# Altium PCB Flyer.PcbDoc (continued)
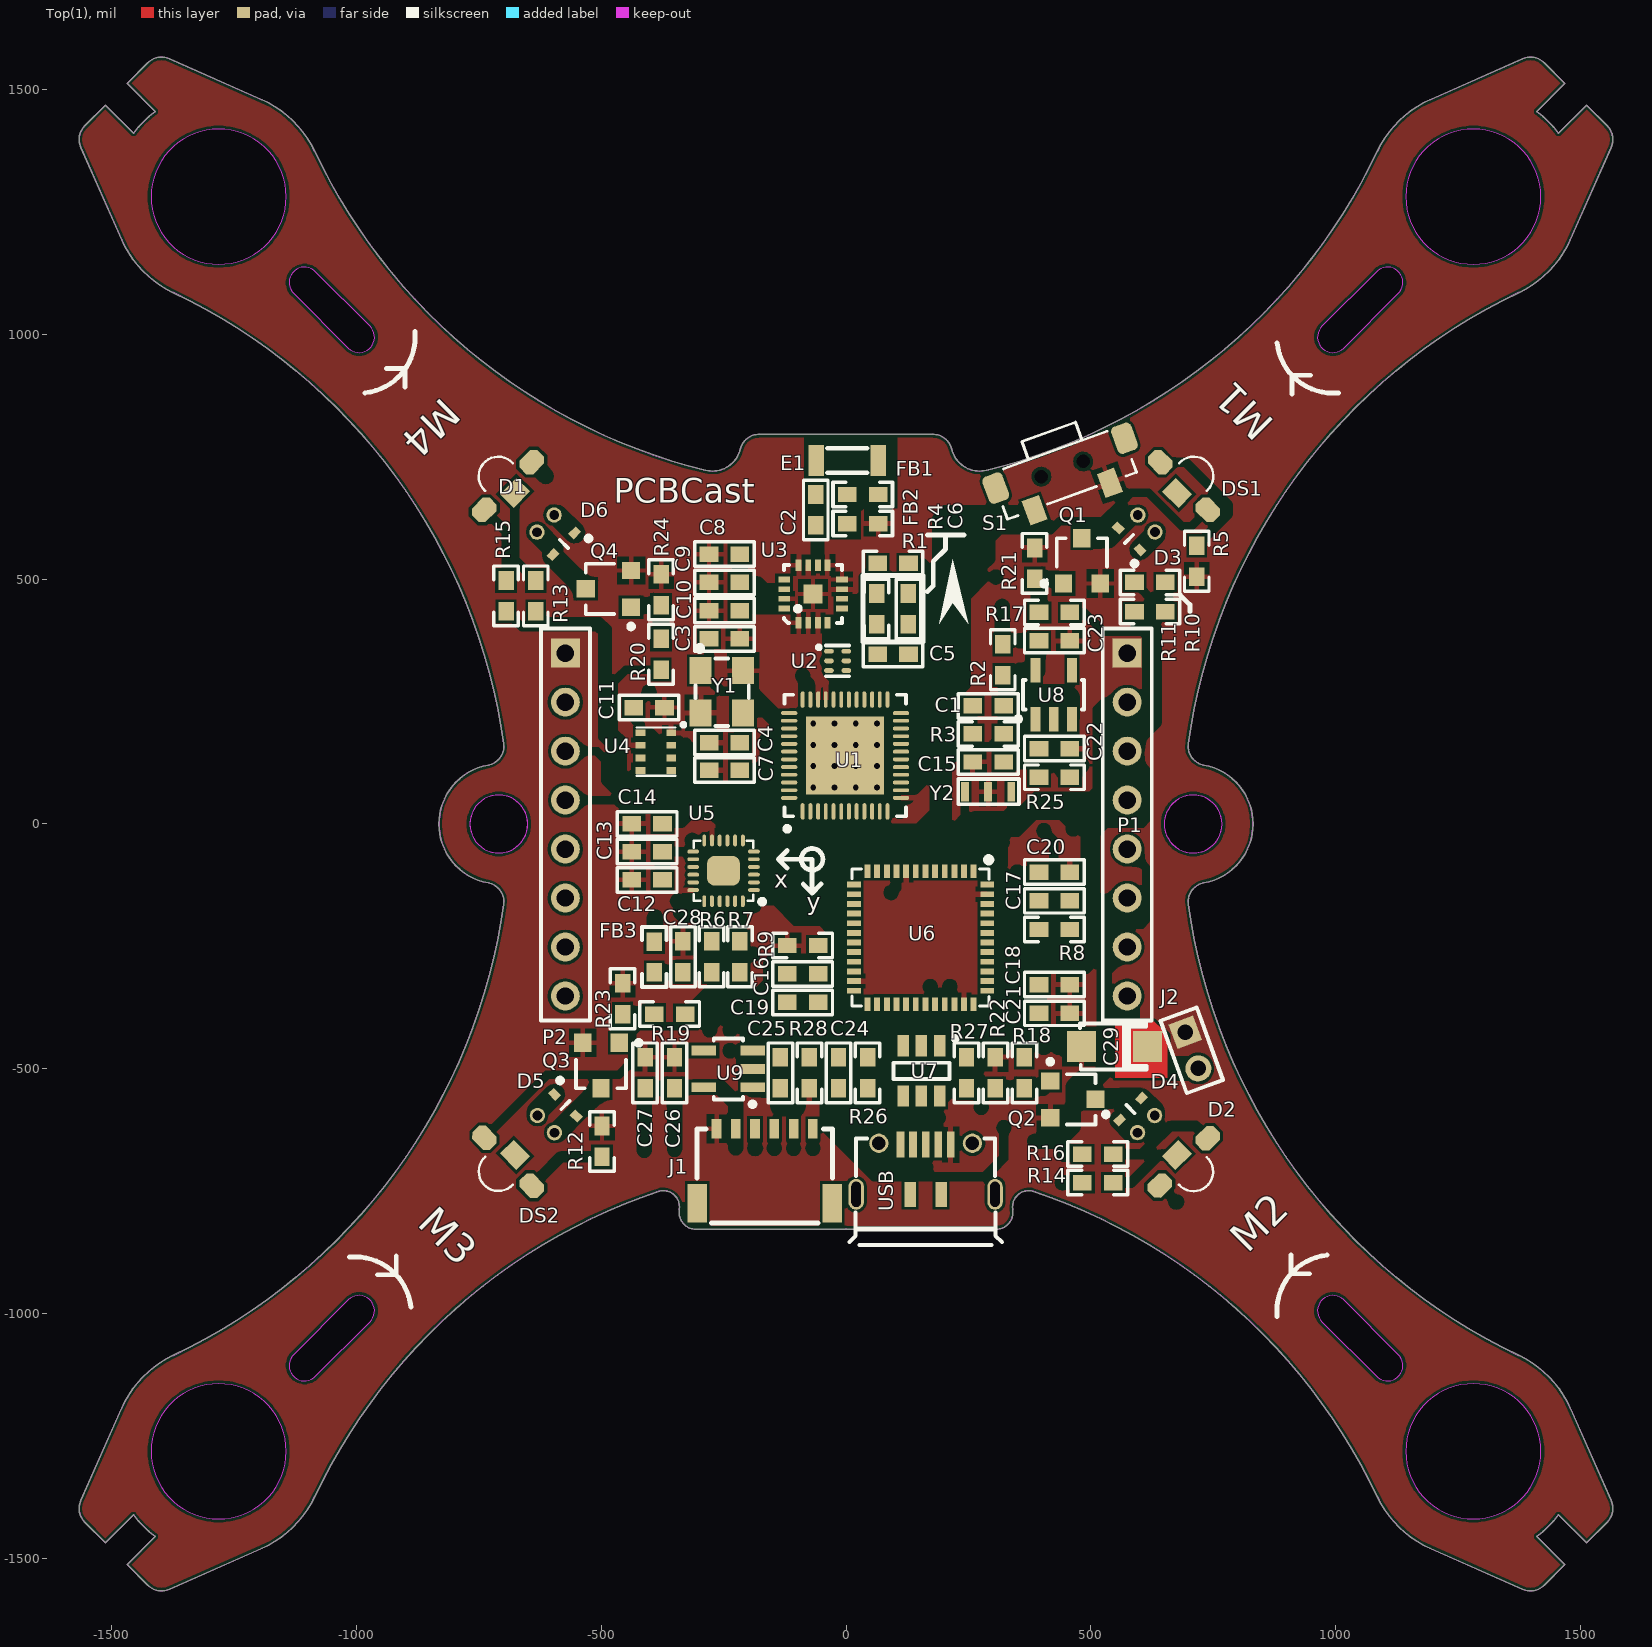
[diagram p0: Top(1) view]
## Design rules (kind name [scope] priority, off if disabled: settings)
Clearance [All] p1: gap=6 ignorepadtopadclearanceinfootprint=FALSE
ComponentClearance [All] p1: gap=0 collisioncheckmode=3 verticalgap=0 showdistances=FALSE
DiffPairsRouting [All] p1: maxlimit=15 minlimit=6 mostfreqgap=8 toplayer_minwidth=6 toplayer_maxwidth=15 toplayer_prefwidth=8 bottomlayer_minwidth=6 bottomlayer_maxwidth=15 bottomlayer_prefwidth=8 maxuncoupledlength=500
HoleSize [All] p1: absolutevalues=TRUE maxlimit=1000 minlimit=1 maxpercent=80.000 minpercent=20.000
HoleToHoleClearance [All] p1: gap=6 allowstackedmicrovias=TRUE
MinimumSolderMaskSliver [All] p1: minsoldermaskwidth=4
PlaneClearance [All] p1: clearance=6
PlaneConnect [All] p1: planeconnectstyle=Direct reliefexpansion=20 reliefentries=4 reliefconductorwidth=10 reliefairgap=10
PolygonConnect [All] p1: thpad.connectstyle=Direct thpad.reliefconductorwidth=10 thpad.reliefentries=4 thpad.polygonreliefangle="90 Angle" thpad.airgapwidth=10 smdpad.connectstyle=Relief smdpad.reliefconductorwidth=10 smdpad.reliefentries=4 smdpad.polygonreliefangle="90 Angle" smdpad.airgapwidth=10 via.connectstyle=Direct via.reliefconductorwidth=10 via.reliefentries=4 via.polygonreliefangle="90 Angle" via.airgapwidth=10
RoutingVias [All] p1: holewidth=12 width=20 viastyle="Through Hole" minholewidth=12 minwidth=20 maxholewidth=12 maxwidth=20
SilkToSilkClearance [All] p1: silktosilkclearance=0
SilkToSolderMaskClearance [IsPad] p1: minsilkscreentomaskgap=0 clearancetoexposedcopper=TRUE
SolderMaskExpansion [All] p1: expansion=4
Width Width_Power [InNetClass('Power')] p1: maxlimit=50 minlimit=8 preferedwidth=12
Width Width_TXRX [InNet('TXRX')] p2: maxlimit=13 minlimit=11 preferedwidth=12
Width [All] p3: maxlimit=50 minlimit=6 preferedwidth=8
21 further rules are at their usual default settings.

## Classes and differential pairs
net class Power: +BATT GND VBAT VCC VCCA VCCNRF VUSB
component class Power: C22 C23 C24 C25 C26 C27 C28 C29 FB3 J2 R25 R26 R27 R28 U7 U8 U9
component class MCU: C15 C16 C17 C18 C19 C20 C21 D1 D2 D3 D4 D5 D6 DS2 J1 P1 P2 P3 P4 P5 P6 Q1 Q2 Q3 Q4 R8 R9 R10 R11 R12 R13 R14 R15 R16 R17 R18 R19 R20 R21 R22 R23 R24 U6 USB Y2
component class IMU: C11 C12 C13 C14 R6 R7 U4 U5
component class 2.4GBT: C1 C2 C3 C4 C5 C6 C7 C8 C9 C10 DS1 E1 FB1 FB2 R1 R2 R3 R4 R5 S1 U1 U2 U3 Y1
differential pair USB: +USB_DP -USB_DM

## Components (designator, comment, footprint, x,y, rotation, side; value= is the part's Value field where it differs from the comment)
C1 "104" C0603 290.2,241.24 r0 top
C2 "2.2pF" C0603 -61.73,641.05 r270 top
C3 "22pF" C0603 -248.08,378 r180 top
C4 "22pF" C0603 -248,166 r0 top
C5 "222" C0603 96,346.16 r180 top
C6 "473" C0603 127.38,438.9 r90 top
C7 "104" C0603 -248,110 r0 top
C8 "10uF" C0603 -248.08,550.92 r0 top
C9 "103" C0603 -248.08,493.28 r0 top
C10 "221" C0603 -248.08,435.64 r0 top
C11 "104" C0603 -402,237.72 r180 top
C12 "104" C0603 -406,-114 r0 top
C13 "103" C0603 -406,-56.25 r0 top
C14 "104" C0603 -406,0.34 r0 top
C15 "104" C0603 290.2,126.57 r180 top
C16 "104" C0603 -88.49,-306 r180 top
C17 "104" C0603 425.42,-156.74 r180 top
C18 "104" C0603 425.42,-327.83 r180 top
C19 "104" C0603 -88.49,-364 r0 top
C20 "104" C0603 425.42,-98.19 r180 top
C21 "10uF" C0603 425.42,-386.38 r180 top
C22 "10uF" C0603 425.42,154 r180 top
C23 "104" C0603 425.42,374.16 r180 top
C24 "104" C0603 -15.33,-508 r270 top
C25 "10uF" C0603 -134,-508 r270 top
C26 "104" C0603 -350.02,-508 r270 top
C27 "10uF" C0603 -410,-508 r270 top
C28 "10uF" C0603 -332.87,-271.04 r270 top
C29 "220uF" TAJ-A 548,-454 r0 top
D1 "LED-RG" LED-2-1206 -689.99,689.99 r45.17 top locked
D2 "LED-RG" LED-2-1206 689.64,-689.64 r224.55 top locked
D3 "1N4148" SOD-523 578,582 r135 top
D4 "1N4148" SOD-523 580.83,-582 r45 top
D5 "1N4148" SOD-523 -572.9,-574 r315 top
D6 "1N4148" SOD-523 -576,572 r225 top
DS1 "LED" LED-2-1206 690.04,690.04 r315.06 top locked
DS2 "LED" LED-2-1206 -689.64,-689.42 r134.54 top locked
E1 "ANTENNA" AN3216 2.64,741.94 r180 top
FB1 "3.9nH" L0603 34.13,672.55 r180 top
FB2 "1nH" L0603 34.13,613.28 r0 top
FB3 "0R,2.0A,0.05DCR" L0603 -391.5,-271.48 r90 top
J1 "SM08B-SRSS-TB" SM06B-SRSS-TB -166,-698 r0 top
J2 "Header 2" HDR1X2-2MM 705.75,-462 r290 top
P1 "Header 8" HDR1X8 574,348.81 r270 top locked
P2 "Header 8" HDR1X8 -572.9,348.81 r270 top locked
P3 "XH254-2Y" XH-AW-125-2Y 613.28,613.28 r135.23 bottom locked
P4 "XH254-2Y" XH-AW-125-2Y 612.5,-612.5 r45 bottom locked
P5 "XH254-2Y" XH-AW-125-2Y -612.5,-612.5 r314.8 bottom locked
P6 "XH254-2Y" XH-AW-125-2Y -613.28,613.28 r225.01 bottom locked
Q1 "NMOS-2" SOT-23-3L 481.28,532.09 r0 top
Q2 "NMOS-2" SOT-23-3L 458,-562 r270 top
Q3 "NMOS-2" SOT-23-3L -500,-488 r180 top
Q4 "NMOS-2" SOT-23-3L -480,480 r90 top
R1 "1K" R0603 96,532.16 r180 top
R2 "49.9K" R0603 320,335.32 r270 top
R3 "49.9K" R0603 290.2,183.91 r180 top
R4 "1K" R0603 62.41,438.9 r90 top
R5 "1K" R0603 716,536.5 r90 top
R6 "4.7K" R0603 -274.22,-271.04 r90 top
R7 "4.7K" R0603 -216.69,-271.04 r90 top
R8 "10K" R0603 425.42,-215.28 r180 top
R9 "100K" R0603 -88.49,-248 r180 top
R10 "4.7K" R0603 620.5,493.28 r0 top
R11 "4.7K" R0603 620.5,433.38 r0 top
R12 "1K" R0603 -498,-648 r270 top
R13 "1K" R0603 -633.31,465.61 r90 top
R14 "1K" R0603 514,-732 r0 top
R15 "1K" R0603 -693.9,465.61 r90 top
R16 "1K" R0603 514,-674 r0 top
R17 "100R" R0603 425.42,432 r180 top
R18 "100R" R0603 364,-508 r270 top
R19 "100R" R0603 -360,-388.07 r180 top
R20 "100R" R0603 -377.4,346.5 r90 top
R21 "10K" R0603 385.1,532 r270 top
R22 "10K" R0603 305,-508 r270 top
R23 "10K" R0603 -456.09,-356.58 r270 top
R24 "10K" R0603 -377.4,478 r270 top
R25 "0R" R0603 425.42,95.45 r180 top
R26 "10K" R0603 44,-508 r270 top
R27 "1.6K" R0603 246,-508 r270 top
R28 "10K" R0603 -74.67,-508 r90 top
S1 "KEY" KEY-3X6X3.5-C 441.45,724.51 r20 top
U1 "NRF51822" QFN-48 -1.87,139.83 r90 top
U2 "2450BM14A0002" 0603-6 -17.06,333.01 r0 top
U3 "RFX2401C" QFN-16 -67.28,469.53 r90 top
U4 "BMP280" LGA-8 -387.99,147.72 r0 top
U5 "MPU9250" QFN-24-0.4 -250.01,-95.62 r180 top
U6 "STM32411CE" UFQFPN48 152.24,-232 r270 top
U7 "TP4059" SOT23-6 154,-504 r270 top
U8 "RT9193-3.3" SOT-23-5 424,264 r90 top
U9 "RT9193-3.3" SOT-23-5 -240,-500 r180 top
USB "USB-B(Mini)" USB-MICROUSB 162.5,-654.62 r180 top (schematic designator USB_SLAVE1)
Y1 "16MHz" X-TSX-3225 -253.52,270.02 r270 top
Y2 "8MHz" X-CSTCE 290,66 r180 top

## Footprints (in the part's own frame and the unit in brackets; to place one, negate y for a bottom-side part, rotate by r counter-clockwise, add the part's x,y. Pads: shape width x height; smd on the part's side, far side on the other; paste and mask are expansions set on the pad)
0603-6 [mm]
  oval 0.5x0.25 smd: 1(-0.45,0.5) 2(-0.45,0) 3(-0.45,-0.5) 4(0.45,-0.5) 5(0.45,0) 6(0.45,0.5)
  silkscreen extent -1.05,-0.8 0.6,0.8, body extent -0.4,-0.8 0.4,0.8, height 0.6
AN3216 [mm]
  rect 0.8x1.6 smd: 1(-1.6,0) 2(1.6,0)
  silkscreen extent -1.02,-0.64 1.02,0.64
C0603 [mm] "Chip Capacitor, Body 1.6x0.8mm, IPC High Density"
  rect 0.965x0.8 smd: 1(-0.8,0) 2(0.8,0)
  silkscreen extent -1.55,-0.64 1.55,0.64, body extent -1.23,-0.4 1.23,0.4, height 0.8
HDR1X2-2MM [mm]
  rect 1.35x1.35 hole 0.8: 1(-1,0)
  round 1.35 hole 0.8: 2(1,0)
  silkscreen extent -2,-1 2,1
HDR1X8 [mm]
  rect 1.5x1.5 hole 0.9: 1(0,0)
  round 1.5 hole 0.9: 2(2.54,0) 3(5.08,0) 4(7.62,0) 5(10.16,0) 6(12.7,0) 7(15.24,0) 8(17.78,0)
  silkscreen extent -1.27,-1.27 19.05,1.27, body extent -1.27,-1.27 19.05,1.27, height 10.1
KEY-3X6X3.5-C [mm]
  rect 0.95x1.34 smd: 1(-2.075,-1.52) 2(2.075,-1.52)
  rrect50% 1.1x1.5 smd: ""(-3.575,0.25) ""(3.575,0.4)
  round 0 hole 0.7 unplated: ""(-1.15,0) ""(1.15,0)
  silkscreen extent -3.56,-1.47 3.56,2.05, body extent -3.9,-1.73 3.9,1.87, height 3.5
L0603 [mm] "L"
  rect 0.965x0.8 smd: 1(-0.8,0) 2(0.8,0)
  silkscreen extent -1.55,-0.64 1.55,0.64, body extent -0.8,-0.4 0.8,0.4, height 0.45
LED-2-1206 [mm]
  oct 1.3x1 smd: 1(1.75,0) 2(-1.75,0)
  rect 1.2x1 smd: 3(0,-0.508)
  silkscreen extent -1.02,0.66 1.02,1.72, body extent -1.48,-0.52 1.52,1.48, height 1
LGA-8 [mm]
  rect 0.5x0.35 smd: 1(0.8,0.975) 2(0.8,0.325) 3(0.8,-0.325) 4(0.8,-0.975) 5(-0.8,-0.975) 6(-0.8,-0.325) 7(-0.8,0.325) 8(-0.8,0.975)
  silkscreen extent -1,-1.25 1.52,1.5, body extent -1,-1.25 1,1.25, height 1
QFN-16 [mm]
  rect 0.6x0.3 smd: 1(-1.5,0.75) 2(-1.5,0.25) 3(-1.5,-0.25) 4(-1.5,-0.75) 9(1.5,-0.75) 10(1.5,-0.25) 11(1.5,0.25) 12(1.5,0.75)
  rect 0.3x0.6 smd: 5(-0.75,-1.5) 6(-0.25,-1.5) 7(0.25,-1.5) 8(0.75,-1.5) 13(0.75,1.5) 14(0.25,1.5) 15(-0.25,1.5) 16(-0.75,1.5)
  rect 1x1 smd: 17(0,0)
  silkscreen extent -1.5,-1.5 1.5,1.5, body extent -1.5,-1.5 1.5,1.5, height 0.9
QFN-24-0.4 [mm]
  oval 0.61x0.203 smd: 1(-1.575,1) 2(-1.575,0.6) 3(-1.575,0.2) 4(-1.575,-0.2) 5(-1.575,-0.6) 6(-1.575,-1) 13(1.575,-1) 14(1.575,-0.6) 15(1.575,-0.2) 16(1.575,0.2) 17(1.575,0.6) 18(1.575,1)
  oval 0.203x0.61 smd: 7(-1,-1.575) 8(-0.6,-1.575) 9(-0.2,-1.575) 10(0.2,-1.575) 11(0.6,-1.575) 12(1,-1.575) 19(1,1.575) 20(0.6,1.575) 21(0.2,1.575) 22(-0.2,1.575) 23(-0.6,1.575) 24(-1,1.575)
  rrect50% 1.7x1.54 smd: 25(0,0)
  silkscreen extent -2.13,-1.55 1.55,1.73, body extent -1.51,-1.51 1.51,1.51, height 1.03
QFN-48 [mm] "QFN, 48-Leads, Body 6.00x6.00mm, Pitch 0.40mm, Thermal Pad 4.05x4.05mm, IPC Medium Density"
  oval 0.85x0.2 smd: 1(-2.9,2.2) 2(-2.9,1.8) 3(-2.9,1.4) 4(-2.9,1) 5(-2.9,0.6) 6(-2.9,0.2) 7(-2.9,-0.2) 8(-2.9,-0.6) 9(-2.9,-1) 10(-2.9,-1.4) 11(-2.9,-1.8) 12(-2.9,-2.2) 25(2.9,-2.2) 26(2.9,-1.8) 27(2.9,-1.4) 28(2.9,-1) 29(2.9,-0.6) 30(2.9,-0.2) 31(2.9,0.2) 32(2.9,0.6) 33(2.9,1) 34(2.9,1.4) 35(2.9,1.8) 36(2.9,2.2)
  oval 0.2x0.85 smd: 13(-2.2,-2.9) 14(-1.8,-2.9) 15(-1.4,-2.9) 16(-1,-2.9) 17(-0.6,-2.9) 18(-0.2,-2.9) 19(0.2,-2.9) 20(0.6,-2.9) 21(1,-2.9) 22(1.4,-2.9) 23(1.8,-2.9) 24(2.2,-2.9) 37(2.2,2.9) 38(1.8,2.9) 39(1.4,2.9) 40(1,2.9) 41(0.6,2.9) 42(0.2,2.9) 43(-0.2,2.9) 44(-0.6,2.9) 45(-1,2.9) 46(-1.4,2.9) 47(-1.8,2.9) 48(-2.2,2.9)
  rect 4.05x4.05 smd: 49(0,0)
  silkscreen extent -3.92,-3.15 3.15,3.15, body extent -3,-3 3,3, height 0.75
R0603 [mm] "Resistor,Chip, Body 1.6x0.8mm, IPC High Density"
  rect 0.965x0.8 smd: 1(-0.8,0) 2(0.8,0)
  silkscreen extent -1.55,-0.64 1.55,0.64, body extent -1.23,-0.4 1.23,0.4, height 0.8
SM06B-SRSS-TB [mm] "1mm"
  rect 0.5x1 smd: 1(-2.5,1.925) 2(-1.5,1.925) 3(-0.5,1.925) 4(0.5,1.925) 5(1.5,1.925) 6(2.5,1.925)
  rect 1x2 smd: 7(-3.5,-1.925) 7(3.5,-1.925)
  silkscreen extent -3.51,-2.95 3.51,1.92, body extent -4,-2.83 4,2.12, height 2.9
SOD-523 [mm]
  rect 0.55x0.42 smd: 1(0.8,0) 2(-0.8,0)
  silkscreen extent -1.22,-0.3 0,0.83, body extent -0.8,-0.4 0.8,0.4, height 0.65
SOT23-6 [mm]
  rect 1.1x0.6 smd: 1(-1.3,0.95) 2(-1.3,0) 3(-1.3,-0.95) 4(1.3,-0.95) 5(1.3,0) 6(1.3,0.95)
  silkscreen extent -1.73,-1.45 0.43,1.8, body extent -1.21,-1.4 1.21,1.4, height 1.09
SOT-23-3L [mm]
  rect 0.9x0.95 smd: 1(-0.95,-1.048) 2(0,1.302) 3(0.95,-1.048)
  silkscreen extent -2.07,-1.17 1.3,1.3, body extent -1.44,-1.26 1.46,1.54, height 1.2
SOT-23-5 [mil]
  rect 50x20 smd: 1(-50,37.4) 2(-50,0) 3(-50,-37.4) 4(50,-37.4) 5(50,37.4)
  silkscreen extent -50,-62 30,72, body extent -55,-57 55,57, height 47
TAJ-A [mm] "钽电容"
  rect 1.52x1.6 smd: 1(1.71,0) 2(-1.71,0)
  silkscreen extent -1.8,-1.19 1.66,1.19, body extent -1.69,-0.84 1.71,0.84, height 1.71
UFQFPN48 [mil]
  rect 28x12 smd: 1(-135.83,108.27) 2(-135.83,88.58) 3(-135.83,68.9) 4(-135.83,49.21) 5(-135.83,29.53) 6(-135.83,9.84) 7(-135.83,-9.84) 8(-135.83,-29.53) 9(-135.83,-49.21) 10(-135.83,-68.9) 11(-135.83,-88.58) 12(-135.83,-108.27) 25(135.83,-108.27) 26(135.83,-88.58) 27(135.83,-68.9) 28(135.83,-49.21) 29(135.83,-29.53) 30(135.83,-9.84) 31(135.83,9.84) 32(135.83,29.53) 33(135.83,49.21) 34(135.83,68.9) 35(135.83,88.58) 36(135.83,108.27)
  rect 12x28 smd: 13(-108.27,-135.83) 14(-88.58,-135.83) 15(-68.9,-135.83) 16(-49.21,-135.83) 17(-29.53,-135.83) 18(-9.84,-135.83) 19(9.84,-135.83) 20(29.53,-135.83) 21(49.21,-135.83) 22(68.9,-135.83) 23(88.58,-135.83) 24(108.27,-135.83) 37(108.27,135.83) 38(88.58,135.83) 39(68.9,135.83) 40(49.21,135.83) 41(29.53,135.83) 42(9.84,135.83) 43(-9.84,135.83) 44(-29.53,135.83) 45(-49.21,135.83) 46(-68.9,135.83) 47(-88.58,135.83) 48(-108.27,135.83)
  silkscreen extent -164,-140 140,144, body extent -138,-138 138,138, height 22
USB-MICROUSB [mm] "MicroUSB"
  rect 0.4x1.35 smd: 1(1.3,0) 2(0.65,0) 3(0,0) 4(-0.65,0) 5(-1.3,0)
  rect 0.6x1.3 smd: 6(-0.8,2.575) 7(0.8,2.575)
  oval 0.8x1.6 hole 0.5 slot 1.3 at 90 deg: ""(-3.6,2.575) ""(3.6,2.575)
  round 1 hole 0.7: ""(-2.425,-0.075) ""(2.425,-0.075)
  silkscreen extent -3.96,-0.33 3.95,5.21, body extent -4.1,-0.24 4.1,5.19, height 2.68
X-CSTCE [mm] "8MHz Crystal,3Pin"
  rect 0.4x1 smd: 1(-1.2,0) 2(1.2,0) 3(0,0)
  silkscreen extent -1.6,-0.65 1.54,0.65, body extent -1.6,-0.65 1.6,0.65, height 0.7
X-TSX-3225 [mm] "26MHz Crystal"
  rect 1.4x1.15 smd: 1(-1.1,-1.1) 2(1.1,-1.1) 3(1.1,1.1) 4(-1.1,1.1)
  silkscreen extent -2.26,-1.37 1.78,1.4, body extent -1.57,-1.25 1.63,1.25, height 0.61
XH-AW-125-2Y [mm] "1.25mm 间距 贴片连接器"
  round 0.8 hole 0.5: 1(-0.625,0) 2(0.625,0)
  silkscreen extent -2.13,0 2.11,4.7

## Part data
C1 C2 C3 C4 C5 C6 C7 C8 C9 C10 C11 C12 C13 C14 C15 C16 C17 C18 C19 C20 C21 C22 C23 C24 C25 C26 C27 C28: library part C0603, "电容", LatestRevisionDate=17-Jul-2002, LatestRevisionNote="Re-released for DXP Platform.", PackageDescription="Radial Cap, Thru-Hole; 2 Leads; 0.3 in Pin Spacing", PackageReference=RAD-0.3, Published=8-Jun-2000, Publisher="Altium Limited", UnitPrice=0.02
C29: library part "C Pol", "极性电容"
D1 D2: library part LED-2, "LED 1206 侧贴 双色"
D3 D4 D5 D6: library part D, "通用二极管"
DS1 DS2: "Typical RED, GREEN, YELLOW, AMBER GaAs LED", PackageDocument=Feb-2002, LatestRevisionDate=17-Jul-2002, LatestRevisionNote="Re-released for DXP Platform.", PackageReference=3.2X1.6X1.1, Published=8-Jun-2000, Publisher="Altium Limited", UnitPrice=0.05
FB1 FB2 FB3: library part L-Beads, "磁珠"
J1: library part SM06B-SRSS-TB
J2: "Header, 2-Pin", LatestRevisionDate=17-Jul-2002, LatestRevisionNote="Re-released for DXP Platform.", Publisher="Altium Limited"
P1 P2: "Header, 8-Pin", LatestRevisionDate=17-Jul-2002, LatestRevisionNote="Re-released for DXP Platform.", Publisher="Altium Limited"
Q1 Q2 Q3 Q4: "N-Channel Power MOSFET", ComponentLink1Description="Manufacturer Link", ComponentLink1URL=http://www.irf.com/, DatasheetVersion=PD-9.814, LatestRevisionDate=17-Jul-2002, LatestRevisionNote="Re-released for DXP Platform.", Note="Pin 2 is electrically connected to pin 4.", PackageDescription="TO, Thru-Hole, Vertical, Heatsink Mounted; 3 In-Line Leads; Pitch 2.54 mm", PackageReference=TO-220AB, PackageVersion=Feb-1997, Published=8-Jun-2000, Publisher="Altium Limited"
R1 R2 R3 R4 R5 R6 R7 R8 R9 R10 R11 R12 R13 R14 R15 R16 R17 R18 R19 R20 R21 R22 R23 R24 R25 R26 R27 R28: library part RES0603, "电阻", LatestRevisionDate=17-Jul-2002, LatestRevisionNote="Re-released for DXP Platform.", PackageDescription="Axial Device, Thru-Hole; 2 Leads; 0.3 in Pin Spacing", PackageReference=AXIAL-0.3, Published=8-Jun-2000, Publisher="Altium Limited"
S1: "普通轻触按钮"
U2: library part BALUN
U4: "气压剂"
U5: "9轴运动处理传感器"
U6: library part STM32F411xC, "STM32411xC_xE"
U7: "锂电池充电IC"
USB: library part USB5
Y1: library part XTAL_1, "Crystal Oscillator", LatestRevisionDate=17-Jul-2002, LatestRevisionNote="Re-released for DXP Platform.", Published=8-Jun-2000, Publisher="Altium Limited"
Y2: library part XTAL_2, "Crystal Oscillator", LatestRevisionDate=17-Jul-2002, LatestRevisionNote="Re-released for DXP Platform.", Published=8-Jun-2000, Publisher="Altium Limited"
E1: UnitPrice=1.3
P3 P4 P5 P6: LatestRevisionDate=17-Jul-2002, LatestRevisionNote="Re-released for DXP Platform.", Publisher="Altium Limited"

## Via types
v1: diameter 20, hole 12, Top(1) to Bottom(4), 16 vias

## Nets (pads, with @x,y where several pads share a name; then routed paths per layer and width w, separated by ;. In a path a pad name is that pad's centre, name@x,y a point inside that pad or via, vN(x,y) a via of type N, cw(c..) or ccw(c..) an arc to the next point about the centre after c; other vN are vias at no path point)
+BATT: C25.2 C29.1 D3.2 D4.2 D5.2 D6.2 J2.2 P1.8 P3.1 P4.1 P5.1 P6.1 R2.1 R25.1 U7.3 U9.1
E_CS0: P1.2 U6.4
E_CS1: P2.3 U6.18
E_CS2: P2.4 U6.19
E_CS3: P2.5 U6.29
E_MISO: P2.7 U6.27
E_MOSI: P2.6 U6.28
E_RX1: P1.6 U6.39
E_SCK: P2.8 U6.26
E_SCL: P1.4 R11.1 U6.41
E_SDA: P1.3 R10.1 U6.40
E_TX1: P1.5 U6.38
GND: C3.1 C4.1 C5.1 C6.1 C7.1 C8.1 C9.1 C10.1 C11.1 C12.1 C13.1 C14.1 C15.2 C16.2 C17.1 C18.1 C19.1 C20.1 C21.1 C22.1 C23.1 C24.1 C25.1 C26.1 C27.1 C28.1 C29.2 FB2.2 J1.1 J2.1 P1.1 P2.1 Q1.3 Q2.3 Q3.3 Q4.3 R5.1 R8.1 R9.2 R12.1 R21.1 R22.1 R23.1 R24.1 R27.1 R28.1 S1.2 U1.13 U1.33 U1.34 U1.49 U2.2 U2.6 U3.1 U3.2 U3.3 U3.7 U3.8 U3.9 U3.11 U3.12 U3.15 U3.17 U4.1 U4.5 U4.7 U5.11 U5.18 U5.20 U6.8 U6.23 U6.35 U6.47 U7.2 U8.2 U9.2 USB.5 Y1.2 Y1.4 Y2.3
  other v1: -66.83,74.87 -23.53,74.87 19.78,74.87 63.09,74.87 -66.83,118.17 -23.53,118.17 19.78,118.17 63.09,118.17 -66.83,161.48 -23.53,161.48 19.78,161.48 63.09,161.48 -66.83,204.79 -23.53,204.79 19.78,204.79 63.09,204.79
IMU_SCL: R6.2 U5.23 U6.45
IMU_SDA: R7.2 U5.24 U6.46
LED_B: DS1.1 U1.14
LED_B_L: DS2.1 U6.25
LED_G_L: R13.1 U6.16
LED_G_R: R16.1 U6.2
LED_R_L: R15.1 U6.17
LED_R_R: R14.1 U6.3
MOTOR1: R17.1 U6.43
MOTOR2: R18.1 U6.42
MOTOR3: R19.1 U6.21
MOTOR4: R20.1 U6.15
MPU_INT: U5.12 U6.14
NetC2_1: C2.1 FB1.2 FB2.1
NetC2_2: C2.2 U3.10
NetC3_2: C3.2 U1.37 Y1.1
NetC4_2: C4.2 U1.38 Y1.3
NetC5_2: C5.2 R4.1 U1.30 U2.5
NetC6_2: C6.2 U1.29
NetC7_2: C7.2 U1.39
NetC14_2: C14.2 U5.10
NetC16_1: C16.1 U6.22
NetC22_2: C22.2 R25.2 U8.1 U8.3
NetD1_2: D1.2 R15.2
NetD1_3: D1.3 R13.2
NetD2_2: D2.2 R16.2
NetD2_3: D2.3 R14.2
NetD3_1: D3.1 P3.2 Q1.2
NetD4_1: D4.1 P4.2 Q2.2
NetD5_1: D5.1 P5.2 Q3.2
NetD6_1: D6.1 P6.2 Q4.2
NetDS1_2: DS1.2 R5.2
NetDS2_2: DS2.2 R12.2
NetE1_1: E1.1 FB1.1
NetQ1_1: Q1.1 R17.2 R21.2
NetQ2_1: Q2.1 R18.2 R22.2
NetQ3_1: Q3.1 R19.2 R23.2
NetQ4_1: Q4.1 R20.2 R24.2
NetR1_1: R1.1 U1.27
NetR9_1: R9.1 U6.20
NetR27_2: R27.2 U7.6
NetU1_31: U1.31 U2.4
NetU1_32: U1.32 U2.3
NetU4_3: U4.3 U5.21
NetU4_4: U4.4 U5.7
NetU6_5: U6.5 Y2.1
NetU6_6: U6.6 Y2.2
NRF_FLOW_CTRL: U1.6 U6.10
NRF_RX: U1.4 U6.12
NRF_SWCLK: J1.6 U1.24
NRF_SWIO: J1.5 U1.23
NRF_TX: U1.3 U6.13
PA_RX_EN: R1.2 U3.6
PA_TX_DIS: R4.2 U1.28 U3.5
PM_CHG_STATE: U1.5 U7.1
STM_BOOT0: R8.2 U1.15 U6.44
STM_NRST: C15.1 U1.7 U6.7
STM_SWCLK: J1.3 U6.37
STM_SWIO: J1.4 U6.34
SWITCH: S1.1 U1.25
TXRX: U2.1 U3.4
USB_CONNECTED: R26.1 R28.2 U1.11
USB_DM: U6.32 USB.2
USB_DP: U6.33 USB.3
USB_ID: U6.31 USB.4
VBAT: C1.2 R2.2 R3.1 U1.8
VBAT_SINK: C1.1 R3.2 U1.9
VCC: C17.2 C18.2 C19.2 C20.2 C21.2 C26.2 C27.2 D1.1 D2.1 FB3.2 J1.2 P2.2 R10.2 R11.2 U6.9 U6.24 U6.36 U6.48 U9.5
VCCA: C11.2 C12.2 C13.2 C28.2 FB3.1 R6.1 R7.1 U4.2 U4.6 U4.8 U5.1 U5.8 U5.9 U5.13 U5.22
VCCNRF: C8.2 C9.2 C10.2 C23.2 U1.1 U1.12 U1.35 U1.36 U3.14 U3.16 U6.1 U8.5
VEN_D: U1.48 U9.3
VUSB: C24.2 P1.7 R26.2 U7.4 USB.1
pads on no net: DS1.3 DS2.3 E1.2 J1.7 S1. U1.2 U1.10 U1.16 U1.17 U1.18 U1.19 U1.20 U1.21 U1.22 U1.26 U1.40 U1.41 U1.42 U1.43 U1.44 U1.45 U1.46 U1.47 U3.13 U5.2 U5.3 U5.4 U5.5 U5.6 U5.14 U5.15 U5.16 U5.17 U5.19 U5.25 U6.11 U6.30 U7.5 U8.4 U9.4 USB. USB.6 USB.7

## Polygon pours and split planes (outlines as drawn)
GND on Top(1) "Top(1)-GND" (solid, remove dead copper, pour order 6): 202 vertices, not listed, extent -1565.49,-1565.49 1565.6,1565.49
no net on Top(1) "Top(1)-No Net" (solid, pour order 0): 555.73,-412
GND on Bottom(4) "Bottom(4)-GND" (solid, remove dead copper, pour order 4): 202 vertices, not listed, extent -1565.49,-1565.49 1565.6,1565.49
GND on GND(2) (split plane): 1378 vertices, not listed, extent -1545.71,-1545.71 1545.5,1545.71
+BATT on VCC(3) (split plane): 1378 vertices, not listed, extent -1545.71,-1545.71 1545.5,1545.71

## Keep-outs
Keep-Out Layer:
  circle w0.5: c1280.59,1280.59 r137.8
  circle w0.5: c1280.59,-1280.59 r137.8
  circle w0.5: c-1280.59,1280.59 r137.8
  circle w0.5: c-1280.59,-1280.59 r137.8
  circle w0.5: c708.66,0 r59.06
  circle w0.5: c-708.66,0 r59.06
  circle w0.25: c0,-826.77 r0.12
  lines w0.5: -1561.96,-1381.17 ccw(c-1525.96,-1397.12) -1553.8,-1424.96 ; -1561.96,-1381.17 ccw(c-1525.96,-1397.12) -1553.8,-1424.96 ; -1561.96,-1381.17 -1478.57,-1192.9 ; -1561.96,-1381.17 -1478.57,-1192.9 ; -1561.96,1381.17 cw(c-1525.96,1397.12) -1553.8,1424.96 ; -1561.96,1381.17 cw(c-1525.96,1397.12) -1553.8,1424.96 ; -1561.96,1381.17 -1478.57,1192.9 ; -1561.96,1381.17 -1478.57,1192.9 ; -1553.8,-1424.96 -1511.65,-1467.11 ; -1553.8,-1424.96 -1511.65,-1467.11 ; -1553.8,1424.96 -1511.65,1467.11 ; -1553.8,1424.96 -1511.65,1467.11 ; -1511.65,-1467.11 -1454.34,-1409.8 ; -1511.65,-1467.11 -1454.34,-1409.8 ; -1511.65,1467.11 -1454.34,1409.8 ; -1511.65,1467.11 -1454.34,1409.8 ; -1478.57,-1192.9 cw(c-1280.59,-1280.59) -1373.38,-1084.94 ; -1478.57,-1192.9 cw(c-1280.59,-1280.59) -1373.38,-1084.94 ; -1478.57,1192.9 ccw(c-1280.59,1280.59) -1373.38,1084.94 ; -1478.57,1192.9 ccw(c-1280.59,1280.59) -1373.38,1084.94 ; -1467.11,-1511.65 -1409.8,-1454.34 ; -1467.11,-1511.65 -1409.8,-1454.34 ; -1467.11,-1511.65 -1424.96,-1553.8 ; -1467.11,-1511.65 -1424.96,-1553.8 ; -1467.11,1511.65 -1409.8,1454.34 ; -1467.11,1511.65 -1409.8,1454.34 ; -1467.11,1511.65 -1424.96,1553.8 ; -1467.11,1511.65 -1424.96,1553.8 ; -1454.34,-1409.8 ccw(c-1280.59,-1280.59) -1409.8,-1454.34 ; -1454.34,-1409.8 ccw(c-1280.59,-1280.59) -1409.8,-1454.34 ; -1454.34,1409.8 cw(c-1280.59,1280.59) -1409.8,1454.34 ; -1454.34,1409.8 cw(c-1280.59,1280.59) -1409.8,1454.34 ; -1424.96,-1553.8 ccw(c-1397.12,-1525.96) -1381.17,-1561.96 ; -1424.96,-1553.8 ccw(c-1397.12,-1525.96) -1381.17,-1561.96 ; -1424.96,1553.8 cw(c-1397.12,1525.96) -1381.17,1561.96 ; -1424.96,1553.8 cw(c-1397.12,1525.96) -1381.17,1561.96 ; -1381.17,-1561.96 -1192.9,-1478.57 ; -1381.17,-1561.96 -1192.9,-1478.57 ; -1381.17,1561.96 -1192.9,1478.57 ; -1381.17,1561.96 -1192.9,1478.57 ; -1373.38,-1084.94 ccw(c-1887.96,0) -698.45,-164.21 ; -1373.38,-1084.94 ccw(c-1887.96,0) -698.45,-164.21 ; -1373.38,1084.94 cw(c-1887.96,0) -698.45,164.21 ; -1373.38,1084.94 cw(c-1887.96,0) -698.45,164.21 ; -1192.9,-1478.57 ccw(c-1280.59,-1280.59) -1084.94,-1373.38 ; -1192.9,-1478.57 ccw(c-1280.59,-1280.59) -1084.94,-1373.38 ; -1192.9,1478.57 cw(c-1280.59,1280.59) -1084.94,1373.38 ; -1192.9,1478.57 cw(c-1280.59,1280.59) -1084.94,1373.38 ; -1084.94,-1373.38 cw(c0,-1887.96) -383.72,-750.13 ; -1084.94,-1373.38 cw(c0,-1887.96) -383.72,-750.13 ; -1084.94,1373.38 ccw(c0,1887.96) -286.88,721.94 ; -1084.94,1373.38 ccw(c0,1887.96) -286.88,721.94 ; -730.43,-120.09 cw(c-708.66,0) -730.43,120.09 ; -730.43,-120.09 cw(c-708.66,0) -730.43,120.09 ; -730.43,-120.09 cw(c-737.45,-158.83) -698.45,-164.21 ; -730.43,-120.09 cw(c-737.45,-158.83) -698.45,-164.21 ; -730.43,120.09 ccw(c-737.45,158.83) -698.45,164.21 ; -730.43,120.09 ccw(c-737.45,158.83) -698.45,164.21 ; -383.72,-750.13 cw(c-373.03,-781.84) -340.06,-787.57 ; -383.72,-750.13 cw(c-373.03,-781.84) -340.06,-787.57 ; -340.06,-787.57 ccw(c-307.09,-793.31) -307.09,-826.77 ; -340.06,-787.57 ccw(c-307.09,-793.31) -307.09,-826.77 ; -307.09,-826.77 307.09,-826.77 ; -307.09,-826.77 307.09,-826.77 ; -286.88,721.94 ccw(c-272.77,779.29) -215.41,765.26 ; -286.88,721.94 ccw(c-272.77,779.29) -215.41,765.26 ; -215.41,765.26 cw(c-177.17,755.91) -177.17,795.28 ; -215.41,765.26 cw(c-177.17,755.91) -177.17,795.28 ; -177.17,795.28 177.17,795.28 ; -177.17,795.28 177.17,795.28 ; 177.17,795.28 cw(c177.17,755.91) 215.41,765.26 ; 177.17,795.28 cw(c177.17,755.91) 215.41,765.26 ; 215.41,765.26 ccw(c272.77,779.29) 286.88,721.94 ; 215.41,765.26 ccw(c272.77,779.29) 286.88,721.94 ; 286.88,721.94 ccw(c0,1887.96) 1084.94,1373.38 ; 286.88,721.94 ccw(c0,1887.96) 1084.94,1373.38 ; 307.09,-826.77 ccw(c307.09,-793.31) 340.06,-787.57 ; 307.09,-826.77 ccw(c307.09,-793.31) 340.06,-787.57 ; 340.06,-787.57 cw(c373.03,-781.84) 383.72,-750.13 ; 340.06,-787.57 cw(c373.03,-781.84) 383.72,-750.13 ; 383.72,-750.13 cw(c0,-1887.96) 1084.94,-1373.38 ; 383.72,-750.13 cw(c0,-1887.96) 1084.94,-1373.38 ; 698.45,-164.21 ccw(c1887.96,0) 1373.38,-1084.94 ; 698.45,-164.21 ccw(c1887.96,0) 1373.38,-1084.94 ; 698.45,-164.21 cw(c737.45,-158.83) 730.43,-120.09 ; 698.45,-164.21 cw(c737.45,-158.83) 730.43,-120.09 ; 698.45,164.21 cw(c1887.96,0) 1373.38,1084.94 ; 698.45,164.21 cw(c1887.96,0) 1373.38,1084.94 ; 698.45,164.21 ccw(c737.45,158.83) 730.43,120.09 ; 698.45,164.21 ccw(c737.45,158.83) 730.43,120.09 ; 730.43,-120.09 ccw(c708.66,0) 730.43,120.09 ; 730.43,-120.09 ccw(c708.66,0) 730.43,120.09 ; 1084.94,-1373.38 ccw(c1280.59,-1280.59) 1192.9,-1478.57 ; 1084.94,-1373.38 ccw(c1280.59,-1280.59) 1192.9,-1478.57 ; 1084.94,1373.38 cw(c1280.59,1280.59) 1192.9,1478.57 ; 1084.94,1373.38 cw(c1280.59,1280.59) 1192.9,1478.57 ; 1192.9,-1478.57 1381.17,-1561.96 ; 1192.9,-1478.57 1381.17,-1561.96 ; 1192.9,1478.57 1381.17,1561.96 ; 1192.9,1478.57 1381.17,1561.96 ; 1373.38,-1084.94 cw(c1280.59,-1280.59) 1478.57,-1192.9 ; 1373.38,-1084.94 cw(c1280.59,-1280.59) 1478.57,-1192.9 ; 1373.38,1084.94 ccw(c1280.59,1280.59) 1478.57,1192.9 ; 1373.38,1084.94 ccw(c1280.59,1280.59) 1478.57,1192.9 ; 1381.17,-1561.96 ccw(c1397.12,-1525.96) 1424.96,-1553.8 ; 1381.17,-1561.96 ccw(c1397.12,-1525.96) 1424.96,-1553.8 ; 1381.17,1561.96 cw(c1397.12,1525.96) 1424.96,1553.8 ; 1381.17,1561.96 cw(c1397.12,1525.96) 1424.96,1553.8 ; 1409.8,-1454.34 ccw(c1280.59,-1280.59) 1454.34,-1409.8 ; 1409.8,-1454.34 ccw(c1280.59,-1280.59) 1454.34,-1409.8 ; 1409.8,-1454.34 1467.11,-1511.65 ; 1409.8,-1454.34 1467.11,-1511.65 ; 1409.8,1454.34 cw(c1280.59,1280.59) 1454.34,1409.8 ; 1409.8,1454.34 cw(c1280.59,1280.59) 1454.34,1409.8 ; 1409.8,1454.34 1467.11,1511.65 ; 1409.8,1454.34 1467.11,1511.65 ; 1424.96,-1553.8 1467.11,-1511.65 ; 1424.96,-1553.8 1467.11,-1511.65 ; 1424.96,1553.8 1467.11,1511.65 ; 1424.96,1553.8 1467.11,1511.65 ; 1454.34,-1409.8 1511.65,-1467.11 ; 1454.34,-1409.8 1511.65,-1467.11 ; 1454.34,1409.8 1511.65,1467.11 ; 1454.34,1409.8 1511.65,1467.11 ; 1478.57,-1192.9 1561.96,-1381.17 ; 1478.57,-1192.9 1561.96,-1381.17 ; 1478.57,1192.9 1561.96,1381.17 ; 1478.57,1192.9 1561.96,1381.17 ; 1511.65,-1467.11 1553.8,-1424.96 ; 1511.65,-1467.11 1553.8,-1424.96 ; 1511.65,1467.11 1553.8,1424.96 ; 1511.65,1467.11 1553.8,1424.96 ; 1553.8,-1424.96 ccw(c1525.96,-1397.12) 1561.96,-1381.17 ; 1553.8,-1424.96 ccw(c1525.96,-1397.12) 1561.96,-1381.17 ; 1553.8,1424.96 cw(c1525.96,1397.12) 1561.96,1381.17 ; 1553.8,1424.96 cw(c1525.96,1397.12) 1561.96,1381.17 ; -1127.47,-1082.93 ccw(c-1105.2,-1105.2) -1082.93,-1127.47 -971.58,-1016.12 ccw(c-993.85,-993.85) -1016.12,-971.58 -1127.47,-1082.93 ; -1127.47,1082.93 cw(c-1105.2,1105.2) -1082.93,1127.47 -971.58,1016.12 cw(c-993.85,993.85) -1016.12,971.58 -1127.47,1082.93 ; 971.58,-1016.12 cw(c993.85,-993.85) 1016.12,-971.58 1127.47,-1082.93 cw(c1105.2,-1105.2) 1082.93,-1127.47 971.58,-1016.12 ; 971.58,1016.12 ccw(c993.85,993.85) 1016.12,971.58 1127.47,1082.93 ccw(c1105.2,1105.2) 1082.93,1127.47 971.58,1016.12

## Other copper
Top(1):
  pour cut-out: -203.97,-125.09 -194.09,-134.97 -116,-134.97 -116,-145.91 -137.24,-167.14 -206.98,-167.14 -206.98,-136.01 -202,-131.02
  region net +BATT: 550,-403.44 550,-518 656,-518 656,-430.29 642,-416.29 629.15,-403.44
  pour cut-out: -47.5,420 -47.5,303.5 -32,288 -32,228 -1.87,228 -2,286 94,286 94,433.38 32.73,433.38 32,433.38 32,420
  pour cut-out: -86,795.28 -86.73,794.54 -86.73,580.05 -74.5,580.05 -72.77,578.32 -72.77,526.4 -48.24,526.4 -48,579.55 -47.5,580.05 31.06,580.05 31.56,579.55 31.56,643.56 32,644 105.24,644 105.24,795.28
Bottom(4):
  pour cut-out: -86,795.28 -86.73,794.54 -86.73,580.05 -74.5,580.05 -72.77,578.32 -72.77,526.4 -48.24,526.4 -48,579.55 -47.5,580.05 31.06,580.05 31.56,579.55 31.56,643.56 32,644 105.24,644 105.24,795.28
GND(2) (plane layer: these items are gaps in the copper):
  pour cut-out: -47.5,420 -47.5,303.5 -32,288 -32,228 -1.87,228 -2,286 94,286 94,433.38 32.73,433.38 32,433.38 32,420
  pour cut-out: -85.24,796.03 -85.98,795.3 -85.98,580.81 -73.74,580.81 -72.02,579.08 -72.02,527.16 -47.48,527.16 -47.24,580.31 -46.74,580.81 31.81,580.81 32.31,580.31 32.31,644.31 32.76,644.76 106,644.76 106,795.28 106,796.03
VCC(3) (plane layer: these items are gaps in the copper):
  pour cut-out: -85.24,796.03 -85.98,795.3 -85.98,580.81 -73.74,580.81 -72.02,579.08 -72.02,527.16 -47.48,527.16 -47.24,580.31 -46.74,580.81 31.81,580.81 32.31,580.31 32.31,644.31 32.76,644.76 106,644.76 106,795.28 106,796.03

## Silkscreen, mask and mechanical layers (free items; w line width, h text height)
Top Overlay:
  circle w10: c-69.19,-72 r22.06
  region: 218,540 190,408.38 218,452 250,408.38 218,539
  lines w10: -1013.34,-884.25 cw(c-1002,-998) -888.3,-986.17 ; -982.01,880.14 ccw(c-993.85,993.85) -880.09,1005.19 ; -956.15,-920.15 -918.15,-920.15 -918.15,-882.15 ; -938,930 -900,930 -900,892 ; -120,-90 -138,-72 ; -120,-54 -138,-72 ; -87.19,-122.81 -69.19,-140.81 ; -51.19,-122.81 -69.19,-140.81 ; 166,590 240.47,590 ; 166.19,474.19 178,486 178,536 203.23,561.23 203.23,590 ; 681.5,468.28 702,447.78 702,434 ; 880.09,-1005.19 cw(c993.85,-993.85) 982.01,-880.14 ; 880.14,982.01 ccw(c993.85,993.85) 1005.19,880.09 ; 908,-880 908,-918 946,-918 ; 910,878 910,916 948,916 ; -138,-72 -69.19,-72 -69.19,-140.81 ; 35,371.16 35,507.16 157,507.16 157,371.16 35,371.16
  text "M4" at -824.32,873.59 h60 r225
  text "M1" at 877.43,820.22 h60 r135
  text "PCBCast" at -474,656 h50
  text "x" at -146.32,-130 h35
  text "y" at -80.32,-176 h35
  text "M3" at -877.53,-817.84 h60 r315
  text "M2" at 819.8,-877.83 h60 r45
Bottom Overlay:
  text "-" at 548,650 h60 r135
  text "+" at -565.93,625.93 h60 r225
  text "+" at 626,566 h60 r135
  text "-" at -649.93,547.93 h60 r225
  text "GND" at -340,320 h50
  text "GND" at 502,318 h50
  text "VCC" at -340,220 h50
  text "CS0" at 502,218 h50
  text "CS1" at -359.99,120 h50
  text "SDA" at 502,118 h50
  text "CS2" at -340,20 h50
  text "SCL" at 502,18 h50
  text "CS3" at -340,-80 h50
  text "TX1" at 502,-82 h50
  text "MOSI" at -300.01,-180 h50
  text "RX1" at 502,-182 h50
  text "MISO" at -290.02,-280 h50
  text "VUSB" at 502,-282 h50
  text "SCK" at -340,-380 h50
  text "+BATT" at 502,-382 h50
  text "-" at 649.15,-547.15 h60 r45
  text "+" at -625.09,-565.09 h60 r315
  text "+" at 565.15,-625.15 h60 r45
  text "-" at -547.09,-649.09 h60 r315
Mechanical 1:
  drawing of 159 lines, arcs and shapes, not listed
Mechanical 15:
  circle w0.5: c1280.59,1280.59 r885.83
  circle w0.5: c1280.59,-1280.59 r885.83
  circle w0.5: c-1280.59,-1280.59 r885.83
  circle w0.5: c-1280.59,1280.59 r885.83